# Altium PCB Graviton-EC2-Simplified.PcbDoc (part 7 of 9) (continued)
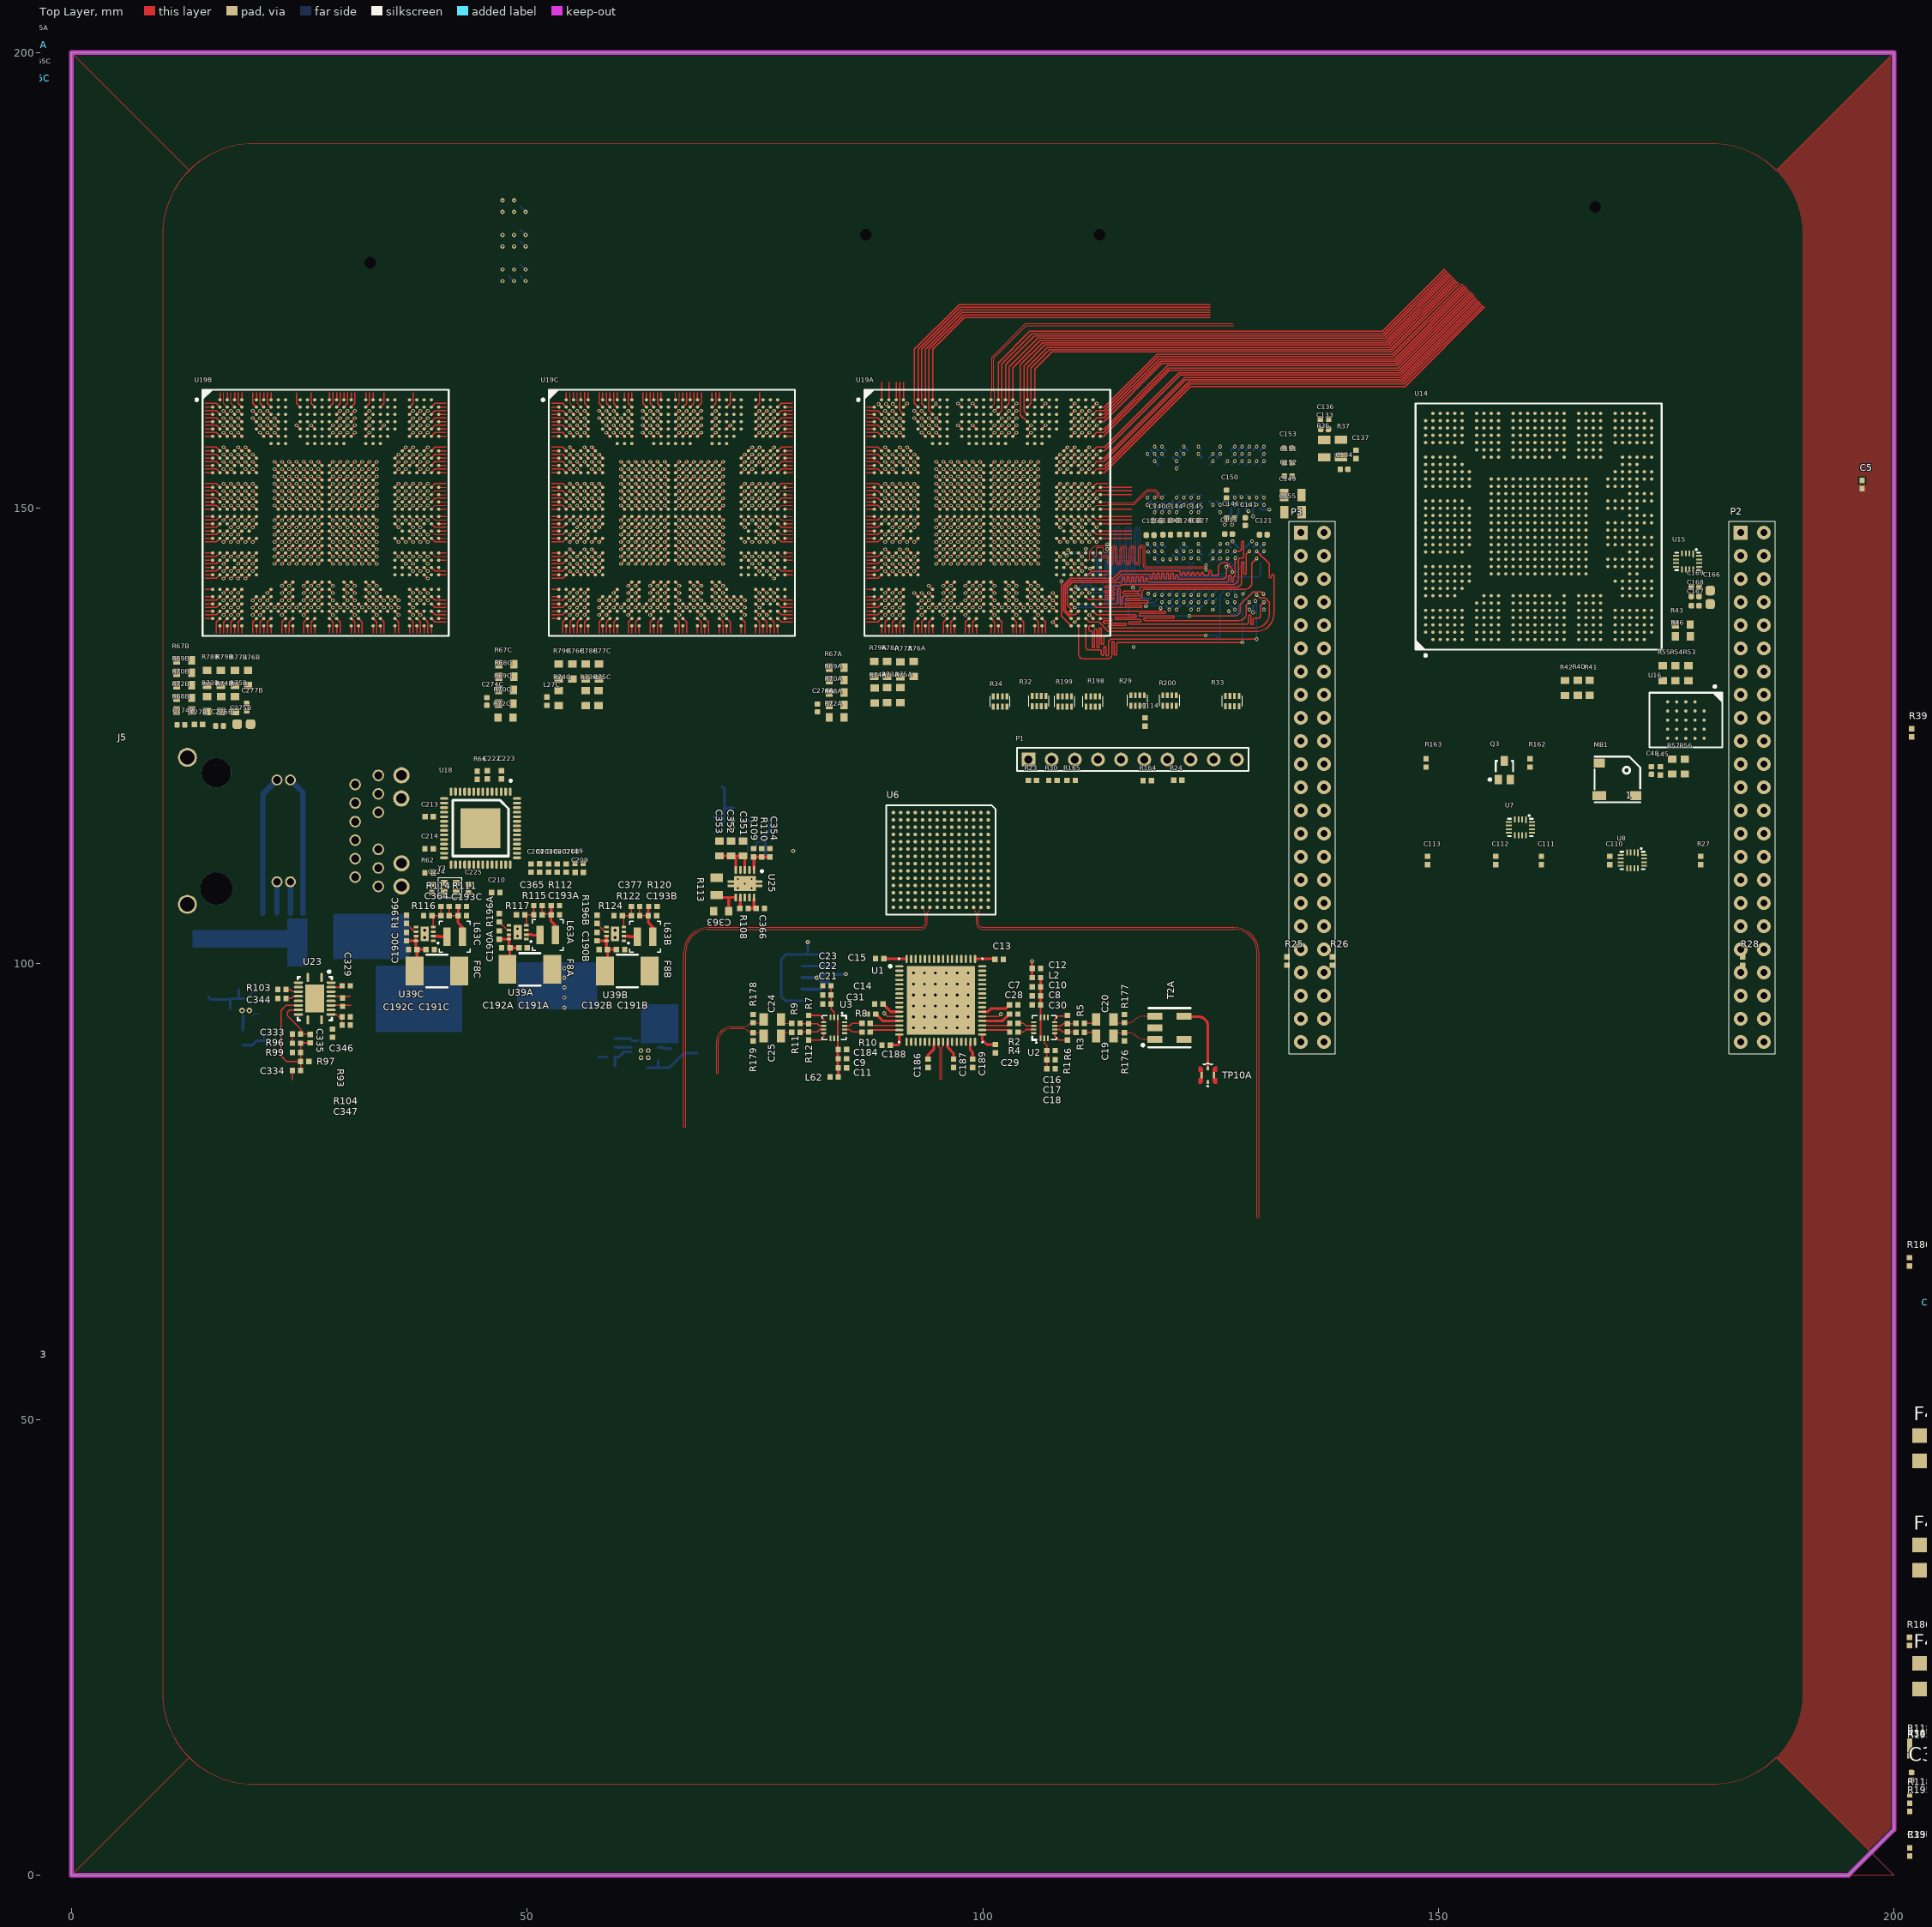
[diagram p0: Top Layer view]
## Nets (pads, with @x,y where several pads share a name; then routed paths per layer and width w, separated by ;. In a path a pad name is that pad's centre, name@x,y a point inside that pad or via, vN(x,y) a via of type N, cw(c..) or ccw(c..) an arc to the next point about the centre after c; other vN are vias at no path point) (continued)
NetC391D_2: 
NetC392A_2: 
NetC392B_2: 
NetC392C_2: 
NetC392D_2: 
NetC399A_2: 
NetC399B_2: 
NetC400A_2: 
NetC400B_2: 
NetC401A_2: 
NetC401B_2: 
NetC402A_1: 
NetC402B_1: 
NetC403A_1: 
NetC403B_1: 
NetC404A_1: 
NetC404B_1: 
NetC418A_1: 
NetC418B_1: 
NetC421A_1: 
NetC421A_2: 
NetC421B_1: 
NetC421B_2: 
NetC423A_1: 
NetC423B_1: 
NetC426A_1: 
NetC426A_2: 
NetC426B_1: 
NetC426B_2: 
NetC427A_2: 
NetC427B_2: 
NetC428A_1: R195A.1
NetC428B_1: R195B.1
NetC430A_2: 
NetC430B_2: 
NetC432A_1: 
NetC432A_2: 
NetC432B_1: 
NetC432B_2: 
NetC433A_1: 
NetC433A_2: 
NetC433B_1: 
NetC433B_2: 
NetC434A_1: C434A.1 R148A.2
NetC434A_2: C434A.2
NetC434B_1: C434B.1 R148B.2
NetC434B_2: C434B.2
NetC444A_2: 
NetC444B_2: 
NetC444C_2: 
NetC444D_2: 
NetC447A_2: 
NetC447B_2: 
NetC447C_2: 
NetC447D_2: 
NetF1_2: F1.2 Q1.5 Q1.6 Q1.7 Q1.8 Q1.9 R89.2 U23.19
NetF3_2: F3.2 U24.1 U24.2 U24.16 | length 6.8
  Bottom Layer w0.3: U24.2@63.15,88.625 U24.1@63.65,88.625 65.625,88.625 67.2,90.2 F3.2@68.645,90.2 ; 64.375,88.65 U24.16@64.375,89.35
NetJ4A_1: 
NetJ4B_1: 
NetJ5_13: J5.13 R158.2 | length 3.4
  Bottom Layer w0.6: R158.2@24.028,105.583 J5.13@24.028,109.012
NetJ5_14: J5.14 R159.2 | length 15.2
  Bottom Layer w0.6: J5.14@24.028,120.188 25.4,118.816 R159.2@25.4,105.555
NetJ5_15: J5.15 R160.2 | length 3.4
  Bottom Layer w0.6: R160.2@22.555,105.61 J5.15@22.555,109.012
NetJ5_16: J5.16 R161.2 | length 15.3
  Bottom Layer w0.6: R161.2@21,105.555 21,118.633 J5.16@22.555,120.188
NetJ5_17: J5.17 R63.1
NetJ5_19: J5.19 R64.1
NetJ5_20: J5.20 R65.1
NetL63A_1: L63A.1 U39A.2 | length 1.5
  Top Layer w0.3: U39A.2@49.914,103.216 50.514,103.216 50.564,103.166 L63A.1@51.414,103.166
NetL63B_1: L63B.1 U39B.2 | length 1.5
  Top Layer w0.3: U39B.2@60.614,103.041 61.214,103.041 61.264,102.991 L63B.1@62.114,102.991
NetL63C_1: L63C.1 U39C.2 | length 1.5
  Top Layer w0.3: U39C.2@39.714,103.041 40.314,103.041 40.364,102.991 L63C.1@41.214,102.991
NetL63D_1: L63D.1 U39D.2 | length 1.5
  Bottom Layer w0.3: 18.816,92.786 18.816,93.636 18.866,93.686 18.866,94.286
NetL63E_1: L63E.1 U39E.2 | length 1.5
  Bottom Layer w0.3: U39E.2@73.45,115.65 74.05,115.65 74.1,115.7 L63E.1@74.95,115.7
NetMB1_2: MB1.2 Q3.3
NetP1_1: P1.1 R23.2
NetQ1_4: Q1.4 U23.17
NetQ3_1: Q3.1 R162.1 R163.1
NetR1_1: R1.1 U2.4 | length 1.9
  Top Layer w0.152: U2.4@107.9,92.4 107.9,92.1 108.355,91.645 R1.1@109.3,91.645
NetR1_2: R1.2 R3.1 U2.5 | length 2.4
  Top Layer w0.152: U2.5@107.9,92.8 108.5,92.8 108.745,92.555 R1.2@109.3,92.555 R3.1@110.19,92.555
NetR2_2: R2.2 U2.12 | length 1.8
  Top Layer w0.152: R2.2@103.88,93.475 104.475,93.475 104.75,93.2 U2.12@105.6,93.2
NetR4_2: R4.2 U2.13 | length 1.8
  Top Layer w0.152: R4.2@103.88,92.525 104.475,92.525 104.75,92.8 U2.13@105.6,92.8
NetR5_1: R5.1 R6.1 U2.6 | length 2.4
  Top Layer w0.152: U2.6@107.9,93.2 108.6,93.2 108.845,93.445 R6.1@109.3,93.445 R5.1@110.19,93.445
NetR6_2: R6.2 U2.7 | length 1.9
  Top Layer w0.152: U2.7@107.9,93.6 107.9,93.9 108.3,94.3 109.245,94.3 R6.2@109.3,94.355
NetR7_1: R7.1 U3.4 | length 2.2
  Top Layer w0.152: R7.1@80.9,94.355 82.145,94.355 82.55,93.95 U3.4@82.55,93.6
NetR7_2: R7.2 R9.1 U3.5 | length 2.6
  Top Layer w0.152: R9.1@80.01,93.445 R7.2@80.9,93.445 81.855,93.445 82.1,93.2 U3.5@82.55,93.2
NetR8_2: R8.2 U3.13 | length 2
  Top Layer w0.152: U3.13@84.85,93.2 85.4,93.2 85.675,93.475 R8.2@86.745,93.475
NetR10_2: R10.2 U3.12 | length 2
  Top Layer w0.152: U3.12@84.85,92.8 85.4,92.8 85.675,92.525 R10.2@86.745,92.525
NetR11_1: R11.1 R12.1 U3.6 | length 2.6
  Top Layer w0.152: R11.1@80.01,92.555 R12.1@80.9,92.555 81.855,92.555 82.1,92.8 U3.6@82.55,92.8
NetR12_2: R12.2 U3.7 | length 2.2
  Top Layer w0.152: R12.2@80.9,91.645 82.145,91.645 82.55,92.05 U3.7@82.55,92.4
NetR25_1: R25.1 U7.5 U7.6 U7.15 U7.16
NetR26_2: R26.2 U7.7
NetR27_2: R27.2 U8.7
NetR28_1: R28.1 U8.5 U8.6 U8.15 U8.16
NetR39_1: R39.1 U13.2
NetR43_1: R43.1 U14.AM3
NetR47_1: R47.1 R51.2 U14.AM4
NetR48_1: R48.1 R52.2 U14.AK4
NetR49_1: R49.1 R50.2 U14.AL4
NetR58A_2: 
NetR58B_2: 
NetR58C_2: 
NetR58D_2: 
NetR59A_2: 
NetR59B_2: 
NetR59C_2: 
NetR59D_2: 
NetR60_2: R60.2 U18.32
NetR61_2: R61.2 U18.31
NetR62_2: R62.2 U18.30
NetR73A_1: R73A.1 R78A.2 U19A.AL4 | length 1.8
  Top Layer w0.12: 90.1,136.285 90.1,137.5 U19A.AL4@90.5,137.9
NetR73B_1: R73B.1 R78B.2 U19B.AL4 | length 1.8
  Top Layer w0.12: 17.5,136.285 17.5,137.5 U19B.AL4@17.9,137.9
NetR73C_1: R73C.1 R78C.2 U19C.AL4 | length 1.8
  Top Layer w0.12: 55.5,136.285 55.5,137.5 U19C.AL4@55.9,137.9
NetR74A_1: R74A.1 R79A.2 U19A.AK4 | length 0.6
  Top Layer w0.127: v1(90.1,138.3) U19A.AK4@90.5,138.7
NetR74B_1: R74B.1 R79B.2 U19B.AK4 | length 0.6
  Top Layer w0.127: v1(17.5,138.3) U19B.AK4@17.9,138.7
NetR74C_1: R74C.1 R79C.2 U19C.AK4 | length 0.6
  Top Layer w0.127: v1(55.5,138.3) U19C.AK4@55.9,138.7
NetR75A_1: R75A.1 R77A.2 U19A.AM4 | length 0.8
  Top Layer w0.12: 90.5,136.285 U19A.AM4@90.5,137.1
NetR75B_1: R75B.1 R77B.2 U19B.AM4 | length 0.8
  Top Layer w0.12: 17.9,136.285 U19B.AM4@17.9,137.1
NetR75C_1: R75C.1 R77C.2 U19C.AM4 | length 0.8
  Top Layer w0.12: 55.9,136.285 U19C.AM4@55.9,137.1
NetR82_2: 
NetR83_2: 
NetR84_2: 
NetR85_1: 
NetR89_1: R89.1 R91.2 U23.1
NetR92A_1: R92A.1
NetR92B_1: R92B.1
NetR102_2: R102.2 R106.1 U24.6
NetR103_1: R103.1 U23.4 | length 1.5
  Top Layer w0.152: R103.1@23.555,97.2 24,97.2 24.25,96.95 U23.4@24.91,96.95
NetR107_1: R107.1 U24.8 | length 1.8
  Bottom Layer w0.3: R107.1@59.655,90.85 U24.8@61.425,90.85
NetR108_1: R108.1 U25.7 | length 1.3
  Top Layer w0.3: R108.1@73.3,106.055 73.4,106.155 U25.7@73.4,107.2 U25.7@73.4,107.3
NetR118A_1: R118A.1
NetR118B_1: R118B.1
NetR119_2: R119.2 U2.11
NetR125_2: R125.2 U2.14
NetR127_2: R127.2 U3.11
NetR129A_1: 
NetR129B_1: 
NetR129C_1: 
NetR129D_1: 
NetR145A_2: 
NetR145B_2: 
NetR147A_2: 
NetR147B_2: 
NetR149A_1: R149A.1
NetR149B_1: R149B.1
NetR150A_2: R150A.2
NetR150B_2: R150B.2
NetR151A_1: 
NetR151B_1: 
NetR151C_1: 
NetR151D_1: 
NetR152A_1: 
NetR152B_1: 
NetR152C_1: 
NetR152D_1: 
NetR153A_1: 
NetR153B_1: 
NetR153C_1: 
NetR153D_1: 
NetR154A_1: 
NetR154B_1: 
NetR155A_2: 
NetR155B_2: 
NetR157_1: 
NetR166A_1: 
NetR166A_2: 
NetR166B_1: 
NetR166B_2: 
NetR168A_2: 
NetR168B_2: 
NetR169A_1: 
NetR169B_1: 
NetR170A_2: 
NetR170B_2: 
NetR171A_2: 
NetR171B_2: 
NetR173A_2: 
NetR173B_2: 
NetR173C_2: 
NetR173D_2: 
NetR180A_1: R180A.1 R181A.2 R182A.2
NetR180B_1: R180B.1 R181B.2 R182B.2
NetR183A_1: R183A.1 R184A.2
NetR183B_1: R183B.1 R184B.2
NetR185A_1: R185A.1 R186A.2
NetR185B_1: R185B.1 R186B.2
NetR187A_1: 
NetR187B_1: 
NetR195A_2: R195A.2
NetR195B_2: R195B.2
NetR196A_2: R196A.2 U39A.6 | length 1.4
  Top Layer w0.152: R196A.2@46.964,104.611 46.964,104.589 47.837,103.716 U39A.6@48.014,103.716
NetR196B_2: R196B.2 U39B.6 | length 1.4
  Top Layer w0.152: R196B.2@57.664,104.436 57.664,104.414 58.537,103.541 U39B.6@58.714,103.541
NetR196C_2: R196C.2 U39C.6 | length 1.4
  Top Layer w0.152: R196C.2@36.764,104.436 36.764,104.414 37.637,103.541 U39C.6@37.814,103.541
NetR196D_2: R196D.2 U39D.6 | length 1.4
  Bottom Layer w0.152: 19.366,96.186 19.366,96.363 20.239,97.236 R196D.2@20.261,97.236
NetR196E_2: R196E.2 U39E.6 | length 1.4
  Bottom Layer w0.152: R196E.2@70.5,114.255 70.5,114.277 71.373,115.15 U39E.6@71.55,115.15
NetR197_2: R197.2 U3.14
NetT3A_4: 
NetT3A_6: 
NetT3B_4: 
NetT3B_6: 
NetU20_2: 
NetU36A_3: 
NetU36B_3: 
NetU36C_3: 
NetU36D_3: 
P1A-DDRCCCLK_N: J1.3 U19A.P26 | length 0.6
  Top Layer w0.076: U19A.P26@108.1,151.5 v1(108.5,151.9)
P1A-DDRCCCLK_P: J1.2 U19A.P27 | length 0.6
  Top Layer w0.076: U19A.P27@108.9,151.5 v1(109.3,151.9)
P1A-SDRCCCLK_N: J1.83 U19A.F17 | length 0.6
  Top Layer w0.076: U19A.F17@100.9,157.9 v1(101.3,158.3)
P1A-SDRCCCLK_P: J1.82 U19A.E17 | length 0.6
  Top Layer w0.076: U19A.E17@100.9,158.7 v1(101.3,159.1)
P1A.DDRCC.S2: J1.5 U19A.N26 | length 0.6
  Top Layer w0.127: U19A.N26@108.1,152.3 v1(108.5,152.7)
P1A.DDRCC.S3: J1.6 U19A.N27 | length 0.6
  Top Layer w0.127: U19A.N27@108.9,152.3 v1(109.3,152.7)
P1A.DDRCC.S4: J1.8 U19A.L27 | length 0.6
  Top Layer w0.127: U19A.L27@108.9,153.9 v1(109.3,154.3)
P1A.DDRCC.S5: J1.9 U19A.L26 | length 0.6
  Top Layer w0.127: U19A.L26@108.1,153.9 v1(108.5,154.3)
P1A.DDRCC.S6: J1.12 U19A.N29 | length 0.6
  Top Layer w0.127: U19A.N29@110.5,152.3 v1(110.9,152.7)
P1A.DDRCC.S7: J1.13 U19A.N30 | length 0.6
  Top Layer w0.127: U19A.N30@111.3,152.3 v1(111.7,152.7)
P1A.DDRCC.S8: J1.15 U19A.L29 | length 0.6
  Top Layer w0.127: U19A.L29@110.5,153.9 v1(110.9,154.3)
P1A.DDRCC.S9: J1.16 U19A.K28 | length 0.6
  Top Layer w0.127: U19A.K28@109.7,154.7 v1(110.1,155.1)
P1A.DDRCC.S10: J1.18 U19A.K26 | length 0.6
  Top Layer w0.127: U19A.K26@108.1,154.7 v1(108.5,155.1)
P1A.DDRCC.S11: J1.19 U19A.K27 | length 0.6
  Top Layer w0.127: U19A.K27@108.9,154.7 v1(109.3,155.1)
P1A.DDRCC.S12: J1.22 U19A.J27 | length 0.6
  Top Layer w0.127: U19A.J27@108.9,155.5 v1(109.3,155.9)
P1A.DDRCC.S13: J1.23 U19A.H28 | length 0.6
  Top Layer w0.127: U19A.H28@109.7,156.3 v1(110.1,156.7)
P1A.DDRCC.S14: J1.25 U19A.H27 | length 0.6
  Top Layer w0.127: U19A.H27@108.9,156.3 v1(109.3,156.7)
P1A.DDRCC.S15: J1.26 U19A.K29 | length 0.6
  Top Layer w0.127: U19A.K29@110.5,154.7 v1(110.9,155.1)
P1A.DDRCC.S16: J1.28 U19A.J29 | length 0.6
  Top Layer w0.127: U19A.J29@110.5,155.5 v1(110.9,155.9)
P1A.DDRCC.S17: J1.29 U19A.L30 | length 0.6
  Top Layer w0.127: U19A.L30@111.3,153.9 v1(111.7,154.3)
P1A.DDRCC.S18: J1.32 U19A.L31 | length 50.4
  Top Layer w0.12: U19A.L31@112.1,153.9 112.5,154.3 113.375,154.3 122.693,163.618 146.251,163.618 154.892,172.26
P1A.DDRCC.S19: J1.33 U19A.L32 | length 49.7
  Top Layer w0.12: U19A.L32@112.9,153.9 113.324,153.9 122.795,163.371 146.353,163.371 155.067,172.085
P1A.DDRCC.S20: J1.35 U19A.K32 | length 49.2
  Top Layer w0.12: U19A.K32@112.9,154.7 113.425,154.7 122.59,163.865 146.148,163.865 154.718,172.434
P1A.DDRCC.S21: J1.36 U19A.J32 | length 48.6
  Top Layer w0.12: U19A.J32@112.9,155.5 113.336,155.5 122.195,164.359 145.944,164.359 154.368,172.784
P1A.DDRCC.S22: J1.38 U19A.K31 | length 49.9
  Top Layer w0.12: U19A.K31@112.1,154.7 112.5,155.1 113.285,155.1 122.297,164.112 146.046,164.112 154.543,172.609
P1A.DDRCC.S23: J1.39 U19A.K30 | length 0.6
  Top Layer w0.127: U19A.K30@111.3,154.7 v1(111.7,155.1)
P1A.DDRCC.S24: J1.42 U19A.J30 | length 0.6
  Top Layer w0.127: U19A.J30@111.3,155.5 v1(111.7,155.9)
P1A.DDRCC.S25: J1.43 U19A.H30 | length 0.6
  Top Layer w0.127: U19A.H30@111.3,156.3 v1(111.7,156.7)
P1A.DDRCC.S26: J1.45 U19A.H31 | length 48.9
  Top Layer w0.12: U19A.H31@112.1,156.3 112.5,156.7 113.393,156.7 121.546,164.853 145.739,164.853 154.019,173.133
P1A.DDRCC.S27: J1.46 U19A.H32 | length 48.2
  Top Layer w0.12: U19A.H32@112.9,156.3 113.342,156.3 121.648,164.606 145.841,164.606 154.194,172.958
P1A.DDRCC.S28: J1.48 U19A.F32 | length 47.4
  Top Layer w0.12: U19A.F32@112.9,157.9 113.26,157.9 120.509,165.149 145.686,165.149 153.908,173.371
P1A.DDRCC.S29: J1.49 U19A.E32 | length 46.9
  Top Layer w0.12: U19A.E32@112.9,158.7 113.361,158.7 120.304,165.643 145.481,165.643 153.559,173.72
P1A.DDRCC.S30: J1.59 U19A.F31 | length 48.1
  Top Layer w0.12: U19A.F31@112.1,157.9 112.5,158.3 113.31,158.3 120.406,165.396 145.584,165.396 153.733,173.546
P1A.DDRCC.S31: J1.58 U19A.D32 | length 46.4
  Top Layer w0.12: U19A.D32@112.9,159.5 113.272,159.5 119.662,165.89 145.379,165.89 153.384,173.895
P1A.DDRCC.S32: J1.56 U19A.C32 | length 45.9
  Top Layer w0.12: U19A.C32@112.9,160.3 113.31,160.3 119.394,166.384 145.174,166.384 153.035,174.244
P1A.DDRCC.S33: J1.55 U19A.E30 | length 0.6
  Top Layer w0.127: U19A.E30@111.3,158.7 v1(111.7,159.1)
P1A.DDRCC.S34: J1.53 U19A.F30 | length 0.6
  Top Layer w0.127: U19A.F30@111.3,157.9 v1(111.7,158.3)
P1A.DDRCC.S35: J1.52 U19A.D31 | length 47.1
  Top Layer w0.12: U19A.D31@112.1,159.5 112.5,159.9 113.291,159.9 119.528,166.137 145.277,166.137 153.209,174.07
P1A.DDRCC.S36: J1.62 U19A.D30 | length 0.6
  Top Layer w0.127: U19A.D30@111.3,159.5 v1(111.7,159.9)
P1A.DDRCC.S37: J1.63 U19A.C31 | length 46.6
  Top Layer w0.12: U19A.C31@112.1,160.3 112.5,160.7 113.329,160.7 119.26,166.631 145.072,166.631 152.86,174.419
P1A.DDRCC.S38: J1.65 U19A.B32 | length 45.4
  Top Layer w0.12: U19A.B32@112.9,161.1 113.348,161.1 119.126,166.878 144.97,166.878 152.685,174.594
P1A.DDRCC.S39: J1.66 U19A.F28 | length 0.6
  Top Layer w0.127: U19A.F28@109.7,157.9 v1(110.1,158.3)
P1A.DDRCC.S40: J1.68 U19A.F29 | length 0.6
  Top Layer w0.127: U19A.F29@110.5,157.9 v1(110.9,158.3)
P1A.DDRCC.S41: J1.69 U19A.E29 | length 0.6
  Top Layer w0.127: U19A.E29@110.5,158.7 v1(110.9,159.1)
P1A.DDRCC.S42: J1.72 U19A.D29 | length 0.6
  Top Layer w0.127: U19A.D29@110.5,159.5 v1(110.9,159.9)
P1A.DDRCC.S43: J1.73 U19A.C30 | length 0.6
  Top Layer w0.127: U19A.C30@111.3,160.3 v1(111.7,160.7)
P1A.DDRCC.S44: J1.75 U19A.C29 | length 0.6
  Top Layer w0.127: U19A.C29@110.5,160.3 v1(110.9,160.7)
P1A.DDRCC.S45: J1.76 U19A.D28 | length 0.6
  Top Layer w0.127: U19A.D28@109.7,159.5 v1(110.1,159.9)
P1A.DDRCC.S46: J1.78 U19A.C28 | length 0.6
  Top Layer w0.127: U19A.C28@109.7,160.3 v1(110.1,160.7)
P1A.SDRCC.S2: J1.85 U19A.A18 | length 57.3
  Top Layer w0.12: U19A.A18@101.7,161.9 101.7,165.962 105.139,169.401 143.876,169.401 150.698,176.224
P1A.SDRCC.S3: J1.86 U19A.C18 | length 58.7
  Top Layer w0.127: U19A.C18@101.7,160.3 102.108,160.708 102.108,165.862 105.397,169.151 143.98,169.151 150.875,176.047
P1A.SDRCC.S4: J1.88 U19A.D18 | length 0.6
  Top Layer w0.127: U19A.D18@101.7,159.5 v1(102.1,159.9)
P1A.SDRCC.S5: J1.89 U19A.F18 | length 0.6
  Top Layer w0.127: U19A.F18@101.7,157.9 v1(102.1,158.3)
P1A.SDRCC.S6: J1.92 U19A.A19 | length 56.6
  Top Layer w0.12: U19A.A19@102.5,161.9 102.5,165.746 105.654,168.9 144.083,168.9 151.052,175.869
P1A.SDRCC.S7: J1.93 U19A.B19 | length 57.1
  Top Layer w0.12: U19A.B19@102.5,161.1 102.9,161.5 102.9,165.511 106.042,168.653 144.186,168.653 151.227,175.695
P1A.SDRCC.S8: J1.95 U19A.C19 | length 0.6
  Top Layer w0.127: U19A.C19@102.5,160.3 v1(102.9,160.7)
P1A.SDRCC.S9: J1.96 U19A.D19 | length 0.6
  Top Layer w0.127: U19A.D19@102.5,159.5 v1(102.9,159.9)
P1A.SDRCC.S10: J1.98 U19A.E19 | length 0.6
  Top Layer w0.127: U19A.E19@102.5,158.7 v1(102.9,159.1)
P1A.SDRCC.S11: J1.99 U19A.F19 | length 0.6
  Top Layer w0.127: U19A.F19@102.5,157.9 v1(102.9,158.3)
P1A.SDRCC.S12: J1.102 U19A.A20 | length 55.8
  Top Layer w0.12: U19A.A20@103.3,161.9 103.3,165.403 106.303,168.406 144.288,168.406 151.402,175.52
P1A.SDRCC.S13: J1.103 U19A.C20 | length 0.6
  Top Layer w0.127: U19A.C20@103.3,160.3 v1(103.7,160.7)
P1A.SDRCC.S14: J1.105 U19A.D20 | length 0.6
  Top Layer w0.127: U19A.D20@103.3,159.5 v1(103.7,159.9)
P1A.SDRCC.S15: J1.106 U19A.F20 | length 0.6
  Top Layer w0.127: U19A.F20@103.3,157.9 v1(103.7,158.3)
P1A.SDRCC.S16: J1.108 U19A.A22 | length 54.6
  Top Layer w0.12: U19A.A22@104.9,161.9 104.9,165.479 107.072,167.651 144.601,167.651 151.936,174.986
P1A.SDRCC.S17: J1.109 U19A.B22 | length 55.2
  Top Layer w0.12: U19A.B22@104.9,161.1 105.3,161.5 105.3,165.371 107.333,167.404 144.703,167.404 152.11,174.812
P1A.SDRCC.S18: J1.112 U19A.C22 | length 56.7
  Top Layer w0.127: U19A.C22@104.9,160.3 104.521,160.679 104.521,165.608 106.815,167.902 144.497,167.902 151.758,175.163
P1A.SDRCC.S19: J1.113 U19A.D22 | length 58
  Top Layer w0.127: U19A.D22@104.9,159.5 104.14,160.26 104.14,165.735 106.561,168.156 144.392,168.156 151.579,175.343
P1A.SDRCC.S20: J1.115 U19A.E22 | length 0.6
  Top Layer w0.127: U19A.E22@104.9,158.7 v1(105.3,159.1)
P1A.SDRCC.S21: J1.116 U19A.F22 | length 0.6
  Top Layer w0.127: U19A.F22@104.9,157.9 v1(105.3,158.3)
P1A.SDRCC.S22: J1.118 U19A.A23 | length 53.8
  Top Layer w0.12: U19A.A23@105.7,161.9 105.7,165.263 107.594,167.157 144.805,167.157 152.285,174.637
P1B-DDRCCCLK_N: J1.323 U19A.P7 | length 0.6
  Top Layer w0.076: v1(92.5,151.9) U19A.P7@92.9,151.5
P1B-DDRCCCLK_P: U19A.P6 | length 0.6
  Top Layer w0.076: v1(91.7,151.9) U19A.P6@92.1,151.5
P1B-DRCCCLK_P: J1.322
P1B-SDRCCCLK_N: J1.283 U19A.B17 | length 33.4
  Top Layer w0.076: U19A.B17@100.9,161.1 101.3,161.5 101.3,162.715 101.201,162.814 101.201,166.479 104.775,170.053 127.541,170.053
P1B-SDRCCCLK_P: J1.282 U19A.A17 | length 32.7
  Top Layer w0.076: U19A.A17@100.9,161.9 100.9,162.715 100.998,162.813 100.998,166.564 104.691,170.256 127.457,170.256
P1B.DDRCC.S2: J1.325 U19A.C4 | length 0.6
  Top Layer w0.127: v1(90.1,160.7) U19A.C4@90.5,160.3
P1B.DDRCC.S3: J1.326 U19A.C3 | length 0.6
  Top Layer w0.127: v1(89.3,160.7) U19A.C3@89.7,160.3
P1B.DDRCC.S4: J1.328 U19A.D4 | length 0.6
  Top Layer w0.127: v1(90.1,159.9) U19A.D4@90.5,159.5
P1B.DDRCC.S5: J1.329 U19A.E4 | length 0.6
  Top Layer w0.127: v1(90.1,159.1) U19A.E4@90.5,158.7
P1B.DDRCC.S6: J1.332 U19A.F4 | length 0.6
  Top Layer w0.127: v1(90.1,158.3) U19A.F4@90.5,157.9
P1B.DDRCC.S7: J1.333 U19A.F5 | length 0.6
  Top Layer w0.127: v1(90.9,158.3) U19A.F5@91.3,157.9
P1B.DDRCC.S8: J1.335 U19A.B1 | length 0.8
  Top Layer w0.12: 87.285,161.1 U19A.B1@88.1,161.1
P1B.DDRCC.S9: J1.336 U19A.C2 | length 1.8
  Top Layer w0.12: 87.285,160.7 88.5,160.7 U19A.C2@88.9,160.3
P1B.DDRCC.S10: J1.338 U19A.D3 | length 0.6
  Top Layer w0.127: v1(89.3,159.9) U19A.D3@89.7,159.5
P1B.DDRCC.S11: J1.339 U19A.D2 | length 1.8
  Top Layer w0.12: 87.285,159.9 88.5,159.9 U19A.D2@88.9,159.5
P1B.DDRCC.S12: J1.342 U19A.F3 | length 0.6
  Top Layer w0.127: v1(89.3,158.3) U19A.F3@89.7,157.9
P1B.DDRCC.S13: J1.343 U19A.E3 | length 0.6
  Top Layer w0.127: v1(89.3,159.1) U19A.E3@89.7,158.7
P1B.DDRCC.S14: J1.345 U19A.C1 | length 0.8
  Top Layer w0.12: 87.285,160.3 U19A.C1@88.1,160.3
P1B.DDRCC.S15: J1.346 U19A.D1 | length 0.8
  Top Layer w0.12: 87.285,159.5 U19A.D1@88.1,159.5
P1B.DDRCC.S16: J1.348 U19A.F2 | length 1.8
  Top Layer w0.12: 87.285,158.3 88.5,158.3 U19A.F2@88.9,157.9
P1B.DDRCC.S17: J1.349 U19A.E1 | length 0.8
  Top Layer w0.12: 87.285,158.7 U19A.E1@88.1,158.7
P1B.DDRCC.S18: J1.352 U19A.F1 | length 0.8
  Top Layer w0.12: 87.285,157.9 U19A.F1@88.1,157.9
P1B.DDRCC.S19: J1.353 U19A.H1 | length 0.8
  Top Layer w0.12: 87.285,156.3 U19A.H1@88.1,156.3
P1B.DDRCC.S20: J1.355 U19A.H2 | length 1.8
  Top Layer w0.12: 87.285,156.7 88.5,156.7 U19A.H2@88.9,156.3
P1B.DDRCC.S21: J1.356 U19A.H3 | length 0.6
  Top Layer w0.127: v1(89.3,156.7) U19A.H3@89.7,156.3
P1B.DDRCC.S22: J1.358 U19A.J3 | length 0.6
  Top Layer w0.127: v1(89.3,155.9) U19A.J3@89.7,155.5
P1B.DDRCC.S23: J1.359 U19A.K3 | length 0.6
  Top Layer w0.127: v1(89.3,155.1) U19A.K3@89.7,154.7
P1B.DDRCC.S24: J1.362 U19A.K2 | length 1.8
  Top Layer w0.12: 87.285,155.1 88.5,155.1 U19A.K2@88.9,154.7
P1B.DDRCC.S25: J1.363 U19A.J1 | length 0.8
  Top Layer w0.12: 87.285,155.5 U19A.J1@88.1,155.5
P1B.DDRCC.S26: J1.365 U19A.K1 | length 0.8
  Top Layer w0.12: 87.285,154.7 U19A.K1@88.1,154.7
P1B.DDRCC.S27: J1.366 U19A.L1 | length 0.8
  Top Layer w0.12: 87.285,153.9 U19A.L1@88.1,153.9
P1B.DDRCC.S28: J1.368 U19A.L2 | length 1.8
  Top Layer w0.12: 87.285,154.3 88.5,154.3 U19A.L2@88.9,153.9
P1B.DDRCC.S29: J1.369 U19A.L3 | length 0.6
  Top Layer w0.127: v1(89.3,154.3) U19A.L3@89.7,153.9
P1B.DDRCC.S30: J1.372 U19A.J4 | length 0.6
  Top Layer w0.127: v1(90.1,155.9) U19A.J4@90.5,155.5
P1B.DDRCC.S31: J1.373 U19A.K4 | length 0.6
  Top Layer w0.127: v1(90.1,155.1) U19A.K4@90.5,154.7
P1B.DDRCC.S32: J1.375 U19A.H6 | length 0.6
  Top Layer w0.127: v1(91.7,156.7) U19A.H6@92.1,156.3
P1B.DDRCC.S33: J1.376 U19A.H5 | length 0.6
  Top Layer w0.127: v1(90.9,156.7) U19A.H5@91.3,156.3
P1B.DDRCC.S34: J1.378 U19A.J6 | length 0.6
  Top Layer w0.127: v1(91.7,155.9) U19A.J6@92.1,155.5
P1B.DDRCC.S35: J1.379 U19A.K6 | length 0.6
  Top Layer w0.127: v1(91.7,155.1) U19A.K6@92.1,154.7
P1B.DDRCC.S36: J1.382 U19A.K7 | length 0.6
  Top Layer w0.127: v1(92.5,155.1) U19A.K7@92.9,154.7
P1B.DDRCC.S37: J1.383 U19A.K5 | length 0.6
  Top Layer w0.127: v1(90.9,155.1) U19A.K5@91.3,154.7
P1B.DDRCC.S38: J1.385 U19A.L4 | length 0.6
  Top Layer w0.127: v1(90.1,154.3) U19A.L4@90.5,153.9
P1B.DDRCC.S39: J1.386 U19A.N3 | length 0.6
  Top Layer w0.127: v1(89.3,152.7) U19A.N3@89.7,152.3
P1B.DDRCC.S40: J1.388 U19A.N4 | length 0.6
  Top Layer w0.127: v1(90.1,152.7) U19A.N4@90.5,152.3
P1B.DDRCC.S41: J1.389 U19A.L7 | length 0.6
  Top Layer w0.127: v1(92.5,154.3) U19A.L7@92.9,153.9
P1B.DDRCC.S42: J1.392 U19A.L6 | length 0.6
  Top Layer w0.127: v1(91.7,154.3) U19A.L6@92.1,153.9
P1B.DDRCC.S43: J1.393 U19A.N6 | length 0.6
  Top Layer w0.127: v1(91.7,152.7) U19A.N6@92.1,152.3
P1B.DDRCC.S44: J1.395 U19A.N7 | length 0.6
  Top Layer w0.127: v1(92.5,152.7) U19A.N7@92.9,152.3
P1B.DDRCC.S45: J1.396 U19A.C5 | length 3.7
  Top Layer w0.127: 90.9,163.83 90.9,160.7 U19A.C5@91.3,160.3
P1B.DDRCC.S46: J1.398 U19A.D5 | length 0.6
  Top Layer w0.127: v1(90.9,159.9) U19A.D5@91.3,159.5
P1B.SDRCC.S2: J1.285 U19A.A2 | length 1.9
  Top Layer w0.12: U19A.A2@88.9,161.9 88.9,163.83
P1B.SDRCC.S3: J1.286 U19A.A3 | length 1.9
  Top Layer w0.12: U19A.A3@89.7,161.9 89.7,163.83
P1B.SDRCC.S4: J1.288 U19A.A4 | length 1.9
  Top Layer w0.12: U19A.A4@90.5,161.9 90.5,163.83
P1B.SDRCC.S5: J1.289 U19A.A5 | length 1.9
  Top Layer w0.12: U19A.A5@91.3,161.9 91.3,163.83
P1B.SDRCC.S6: J1.292 U19A.D7 | length 0.6
  Top Layer w0.127: v1(92.5,159.9) U19A.D7@92.9,159.5
P1B.SDRCC.S7: J1.293 U19A.C7 | length 0.6
  Top Layer w0.127: v1(92.5,160.7) U19A.C7@92.9,160.3
P1B.SDRCC.S8: J1.295 U19A.B7 | length 41
  Top Layer w0.12: U19A.B7@92.9,161.1 92.5,161.5 92.5,167.43 97.426,172.356 124.968,172.356
P1B.SDRCC.S9: J1.296 U19A.A7 | length 39.5
  Top Layer w0.12: U19A.A7@92.9,161.9 92.9,167.43 97.543,172.073 124.968,172.073
P1B.SDRCC.S10: J1.298 U19A.F8 | length 0.6
  Top Layer w0.127: v1(93.3,158.3) U19A.F8@93.7,157.9
P1B.SDRCC.S11: J1.299 U19A.E8 | length 0.6
  Top Layer w0.127: v1(93.3,159.1) U19A.E8@93.7,158.7
P1B.SDRCC.S12: J1.302 U19A.D8 | length 0.6
  Top Layer w0.127: v1(93.3,159.9) U19A.D8@93.7,159.5
P1B.SDRCC.S13: J1.303 U19A.C8 | length 0.6
  Top Layer w0.127: v1(93.3,160.7) U19A.C8@93.7,160.3
P1B.SDRCC.S14: J1.305 U19A.B8 | length 40
  Top Layer w0.12: U19A.B8@93.7,161.1 93.3,161.5 93.3,167.43 97.661,171.791 124.968,171.791
P1B.SDRCC.S15: J1.306 U19A.A8 | length 38.5
  Top Layer w0.12: U19A.A8@93.7,161.9 93.7,167.43 97.778,171.508 124.968,171.508
P1B.SDRCC.S16: J1.308 U19A.F9 | length 0.6
  Top Layer w0.127: v1(94.1,158.3) U19A.F9@94.5,157.9
P1B.SDRCC.S17: J1.309 U19A.D9 | length 0.6
  Top Layer w0.127: v1(94.1,159.9) U19A.D9@94.5,159.5
P1B.SDRCC.S18: J1.312 U19A.C9 | length 39.7
  Top Layer w0.127: U19A.C9@94.5,160.3 94.1,160.7 94.1,167.43 97.895,171.225 124.968,171.225
P1B.SDRCC.S19: J1.313 U19A.A9 | length 37.5
  Top Layer w0.12: U19A.A9@94.5,161.9 94.5,167.43 98.012,170.942 124.968,170.942
P1B.SDRCC.S20: J1.315 U19A.F10 | length 0.6
  Top Layer w0.127: v1(94.9,158.3) U19A.F10@95.3,157.9
P1B.SDRCC.S21: J1.316 U19A.E10 | length 0.6
  Top Layer w0.127: v1(94.9,159.1) U19A.E10@95.3,158.7
P1B.SDRCC.S22: J1.318 U19A.D10 | length 0.6
  Top Layer w0.127: v1(94.9,159.9) U19A.D10@95.3,159.5
P2A-DDRCCCLK_N: J2.43 U19B.P26 | length 0.6
  Top Layer w0.076: U19B.P26@35.5,151.5 v1(35.9,151.9)
P2A-DDRCCCLK_P: J2.42 U19B.P27 | length 0.6
  Top Layer w0.076: U19B.P27@36.3,151.5 v1(36.7,151.9)
P2A-SDRCCCLK_N: J2.3 U19B.F17 | length 0.6
  Top Layer w0.076: U19B.F17@28.3,157.9 v1(28.7,158.3)
P2A-SDRCCCLK_P: J2.2 U19B.E17 | length 0.6
  Top Layer w0.076: U19B.E17@28.3,158.7 v1(28.7,159.1)
P2A.DDRCC.S2: J2.45 U19B.N26 | length 0.6
  Top Layer w0.127: U19B.N26@35.5,152.3 v1(35.9,152.7)
P2A.DDRCC.S3: J2.46 U19B.N27 | length 0.6
  Top Layer w0.127: U19B.N27@36.3,152.3 v1(36.7,152.7)
P2A.DDRCC.S4: J2.48 U19B.L27 | length 0.6
  Top Layer w0.127: U19B.L27@36.3,153.9 v1(36.7,154.3)
P2A.DDRCC.S5: J2.49 U19B.L26 | length 0.6
  Top Layer w0.127: U19B.L26@35.5,153.9 v1(35.9,154.3)
P2A.DDRCC.S6: J2.59 U19B.N29 | length 0.6
  Top Layer w0.127: U19B.N29@37.9,152.3 v1(38.3,152.7)
P2A.DDRCC.S7: J2.58 U19B.N30 | length 0.6
  Top Layer w0.127: U19B.N30@38.7,152.3 v1(39.1,152.7)
P2A.DDRCC.S8: J2.56 U19B.L29 | length 0.6
  Top Layer w0.127: U19B.L29@37.9,153.9 v1(38.3,154.3)
P2A.DDRCC.S9: J2.55 U19B.K28 | length 0.6
  Top Layer w0.127: U19B.K28@37.1,154.7 v1(37.5,155.1)
P2A.DDRCC.S10: J2.53 U19B.K26 | length 0.6
  Top Layer w0.127: U19B.K26@35.5,154.7 v1(35.9,155.1)
P2A.DDRCC.S11: J2.52 U19B.K27 | length 0.6
  Top Layer w0.127: U19B.K27@36.3,154.7 v1(36.7,155.1)
P2A.DDRCC.S12: J2.62 U19B.J27 | length 0.6
  Top Layer w0.127: U19B.J27@36.3,155.5 v1(36.7,155.9)
P2A.DDRCC.S13: J2.63 U19B.H28 | length 0.6
  Top Layer w0.127: U19B.H28@37.1,156.3 v1(37.5,156.7)
P2A.DDRCC.S14: J2.65 U19B.H27 | length 0.6
  Top Layer w0.127: U19B.H27@36.3,156.3 v1(36.7,156.7)
P2A.DDRCC.S15: J2.66 U19B.K29 | length 0.6
  Top Layer w0.127: U19B.K29@37.9,154.7 v1(38.3,155.1)
P2A.DDRCC.S16: J2.68 U19B.J29 | length 0.6
  Top Layer w0.127: U19B.J29@37.9,155.5 v1(38.3,155.9)
P2A.DDRCC.S17: J2.69 U19B.L30 | length 0.6
  Top Layer w0.127: U19B.L30@38.7,153.9 v1(39.1,154.3)
P2A.DDRCC.S18: J2.72 U19B.L31 | length 1.8
  Top Layer w0.12: U19B.L31@39.5,153.9 39.9,154.3 41.115,154.3
P2A.DDRCC.S19: J2.73 U19B.L32 | length 0.8
  Top Layer w0.12: U19B.L32@40.3,153.9 41.115,153.9
P2A.DDRCC.S20: J2.75 U19B.K32 | length 0.8
  Top Layer w0.12: U19B.K32@40.3,154.7 41.115,154.7
P2A.DDRCC.S21: J2.76 U19B.J32 | length 0.8
  Top Layer w0.12: U19B.J32@40.3,155.5 41.115,155.5
P2A.DDRCC.S22: J2.78 U19B.K31 | length 1.8
  Top Layer w0.12: U19B.K31@39.5,154.7 39.9,155.1 41.115,155.1
P2A.DDRCC.S23: J2.79 U19B.K30 | length 0.6
  Top Layer w0.127: U19B.K30@38.7,154.7 v1(39.1,155.1)
P2A.DDRCC.S24: J2.82 U19B.J30 | length 0.6
  Top Layer w0.127: U19B.J30@38.7,155.5 v1(39.1,155.9)
P2A.DDRCC.S25: J2.83 U19B.H30 | length 0.6
  Top Layer w0.127: U19B.H30@38.7,156.3 v1(39.1,156.7)
P2A.DDRCC.S26: J2.85 U19B.H31 | length 1.8
  Top Layer w0.12: U19B.H31@39.5,156.3 39.9,156.7 41.115,156.7
P2A.DDRCC.S27: J2.86 U19B.H32 | length 0.8
  Top Layer w0.12: U19B.H32@40.3,156.3 41.115,156.3
P2A.DDRCC.S28: J2.88 U19B.F32 | length 0.8
  Top Layer w0.12: U19B.F32@40.3,157.9 41.115,157.9
P2A.DDRCC.S29: J2.89 U19B.E32 | length 0.8
  Top Layer w0.12: U19B.E32@40.3,158.7 41.115,158.7
P2A.DDRCC.S30: J2.92 U19B.F31 | length 1.8
  Top Layer w0.12: U19B.F31@39.5,157.9 39.9,158.3 41.115,158.3
P2A.DDRCC.S31: J2.93 U19B.D32 | length 0.8
  Top Layer w0.12: U19B.D32@40.3,159.5 41.115,159.5
P2A.DDRCC.S32: J2.95 U19B.C32 | length 0.8
  Top Layer w0.12: U19B.C32@40.3,160.3 41.115,160.3
P2A.DDRCC.S33: J2.96 U19B.E30 | length 0.6
  Top Layer w0.127: U19B.E30@38.7,158.7 v1(39.1,159.1)
P2A.DDRCC.S34: J2.98 U19B.F30 | length 0.6
  Top Layer w0.127: U19B.F30@38.7,157.9 v1(39.1,158.3)
P2A.DDRCC.S35: J2.99 U19B.D31 | length 1.8
  Top Layer w0.12: U19B.D31@39.5,159.5 39.9,159.9 41.115,159.9
P2A.DDRCC.S36: J2.102 U19B.D30 | length 4.9
  Top Layer w0.127: U19B.D30@38.7,159.5 v1(39.1,159.9)
  Signal Layer 4 w0.14: 48.57,171.53 v4(48.57,174.92)
  Bottom Layer w0.12: J2.102@47.935,175.555 v4(48.57,174.92)
P2A.DDRCC.S37: J2.103 U19B.C31 | length 1.8
  Top Layer w0.12: U19B.C31@39.5,160.3 39.9,160.7 41.115,160.7
P2A.DDRCC.S38: J2.105 U19B.B32 | length 0.8
  Top Layer w0.12: U19B.B32@40.3,161.1 41.115,161.1
P2A.DDRCC.S39: J2.106 U19B.F28 | length 0.6
  Top Layer w0.127: U19B.F28@37.1,157.9 v1(37.5,158.3)
P2A.DDRCC.S40: J2.108 U19B.F29 | length 0.6
  Top Layer w0.127: U19B.F29@37.9,157.9 v1(38.3,158.3)
P2A.DDRCC.S41: J2.109 U19B.E29 | length 0.6
  Top Layer w0.127: U19B.E29@37.9,158.7 v1(38.3,159.1)
P2A.DDRCC.S42: J2.112 U19B.D29 | length 4.9
  Top Layer w0.127: U19B.D29@37.9,159.5 v1(38.3,159.9)
  Signal Layer 4 w0.14: 49.84,171.521 v4(49.84,174.92)
  Bottom Layer w0.12: J2.112@49.205,175.555 v4(49.84,174.92)
P2A.DDRCC.S43: J2.113 U19B.C30 | length 6.4
  Top Layer w0.127: U19B.C30@38.7,160.3 v1(39.1,160.7)
  Signal Layer 4 w0.14: v4(49.84,176.19) 50.29,175.74 50.29,171.452
  Bottom Layer w0.12: J2.113@49.205,176.825 v4(49.84,176.19)
P2A.DDRCC.S44: J2.115 U19B.C29 | length 9.1
  Top Layer w0.127: U19B.C29@37.9,160.3 v1(38.3,160.7)
  Signal Layer 4 w0.14: v4(49.84,178.73) 50.709,177.861 50.709,171.46
  Bottom Layer w0.12: J2.115@49.205,179.365 v4(49.84,178.73)
P2A.DDRCC.S45: J2.116 U19B.D28 | length 10.1
  Top Layer w0.127: U19B.D28@37.1,159.5 v1(37.5,159.9)
  Signal Layer 3 w0.14: v4(49.84,180) 50.3,179.54 50.3,171.51
  Bottom Layer w0.12: J2.116@49.205,180.635 v4(49.84,180)